# Altium PCB Power Distribution Board.PcbDoc (part 1 of 2) (continued)
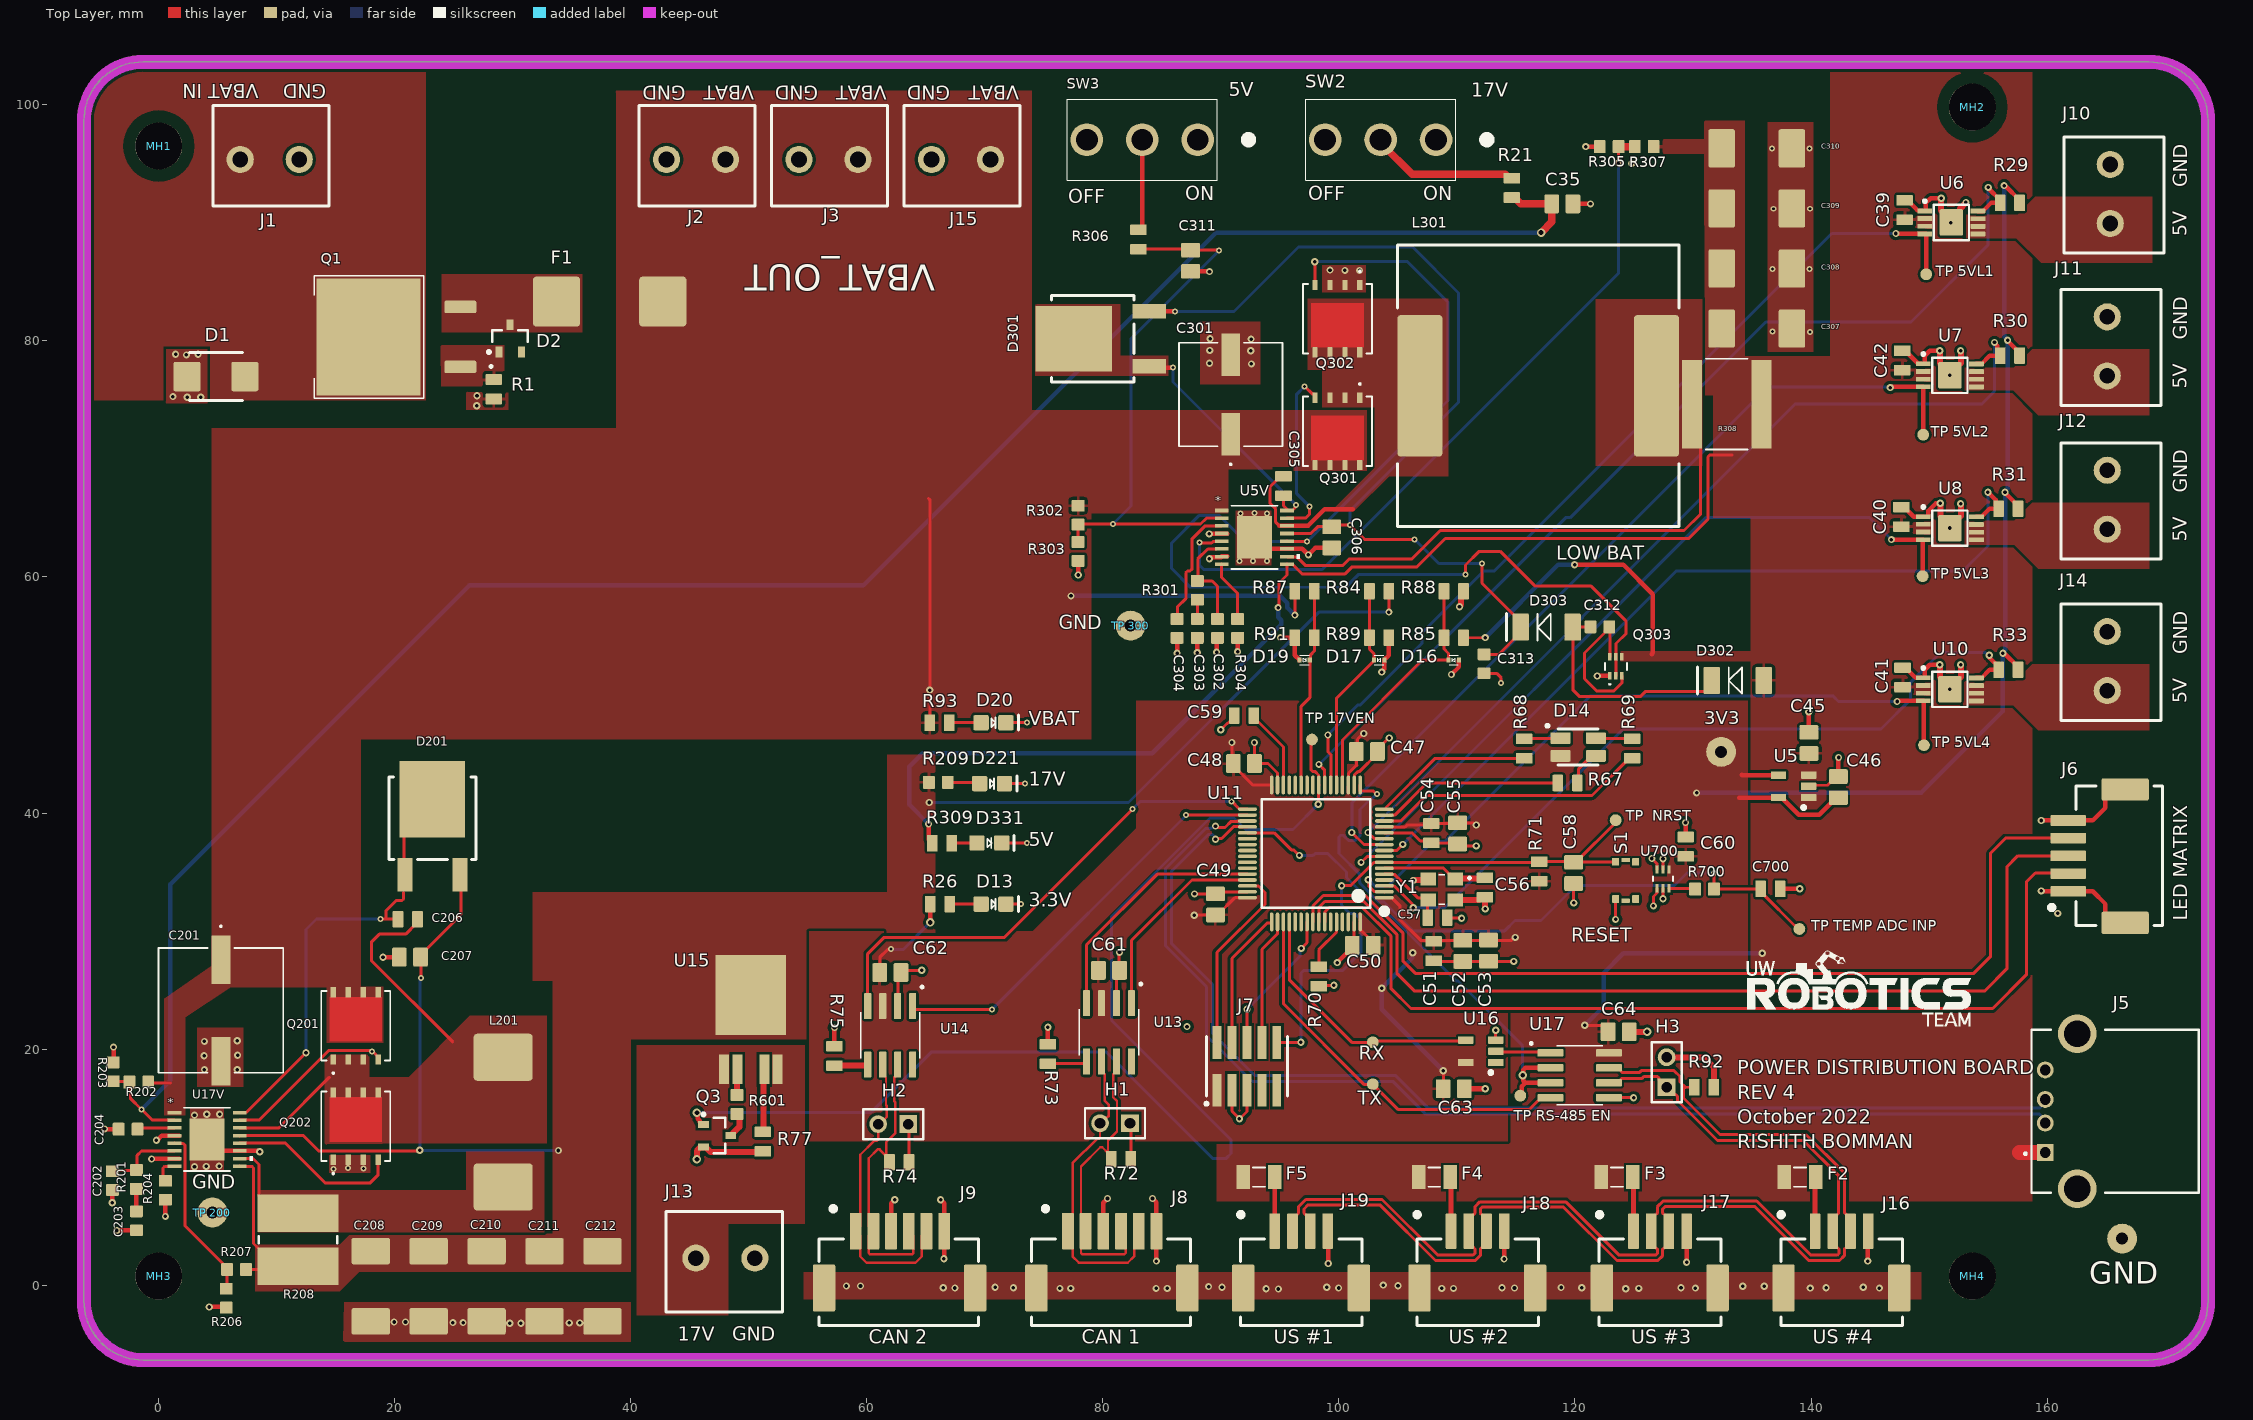
[diagram p0: Top Layer view]
## Footprints (in the part's own frame and the unit in brackets; to place one, negate y for a bottom-side part, rotate by r counter-clockwise, add the part's x,y. Pads: shape width x height; smd on the part's side, far side on the other; paste and mask are expansions set on the pad) (continued)
TVS_DIODE_BIDIR_SMB [mm] "DO-214AA, SMB"
  rrect15% 2.3x2.5 smd: 1(-2.45,0) 2(2.45,0)
  silkscreen extent -2.25,-2.03 2.25,2.03, body extent -2.7,-1.8 2.7,1.8, height 2.27
"USB-A 2.0 Connector - 3d ver" [mm]
  rect 1.428x1.428 hole 0.92: 1(-3.5,2.71)
  round 1.428 hole 0.92: 2(-1,2.71) 3(1,2.71) 4(3.5,2.71)
  round 3.276 hole 2.26: S1(-6.57,0) S2(6.57,0)
  silkscreen extent -6.9,-10.28 6.9,4.5, body extent -7.8,-10.28 7.8,3.88, height 6.99
XTAL_ECS-250-20-33-CKM-TR [mm]
  rect 1.3x1.1 smd: 1(-1.15,-0.9) 2(1.15,-0.9) 3(1.15,0.9) 4(-1.15,0.9)
  silkscreen extent -2.45,-1.25 0.27,1.25, body extent -1.62,-1.25 1.58,1.25, height 0.8

## Part data
3V3 GND "TP 200" "TP 300": "TESTPOINT THRUHOLE", Manufacturer 1="Keystone Electronics", Manufacturer Part Number 1=5002, Package/Footprint=TH, Supplier Part Number 1=36-5002-ND, Mounting Type=TH, Supplier 1=Digi-Key
C35 C47 C48 C49 C50 C52 C53 C61 C62 C63 C64 C311: "CAP CER 0.1UF 50V X7R 0805", Dielectric=X7R, LCSC Part #=C49678, Manufacturer 1="Murata Electronics", Manufacturer Part Number 1=GCM21BR71H104KA37K, Package/Footprint=0805, Supplier Part Number 1=490-8049-1-ND, Voltage Rating=50V, Mounting Type=SMD, Supplier 1=Digi-Key
C39 C40 C41 C42: "CAP CER 1UF 16V X7R 0805", Dielectric=X7R, Manufacturer 1=Yageo, Manufacturer Part Number 1=CC0805KKX7R7BB105, Package=0805, Supplier Part Number 1=311-1365-1-ND, Voltage Rating=16V, Mounting Type=SMD, Supplier 1=Digi-Key
C45 C46 C55 C58: "CAP CER 1UF 50V X7R 0805", LCSC Part #=C28323, Manufacturer 1="Samsung Electro-Mechanics", Manufacturer Part Number 1=CL21B105KBFNNNG, Package=0805, Supplier Part Number 1=1276-6470-1-ND, Voltage Rating=50V, Mounting Type=SMD, Supplier 1=Digi-Key
C51 C59: "CAP CER 4.7UF 16V X5R 0805", Dielectric=X5R, LCSC Part #=C1779, Manufacturer 1="Samsung Electro-Mechanics", Manufacturer Part Number 1=CL21A475KOFNNNE, Package=0805, Supplier Part Number 1=1276-1065-1-ND, Voltage Rating=16V, Mounting Type=SMD, Supplier 1=Digi-Key
C54 C60 C700: "CAP CER 0.01uF 100V X7R 0805", Dielectric=X7R, LCSC Part #=C1710, Manufacturer 1="AVX Corporation", Manufacturer Part Number 1=08051C103KAT2A, Package=0805, Supplier Part Number 1=478-1358-1-ND, Voltage Rating=100V, Mounting Type=SMD, Supplier 1=Digi-Key
C56 C57: "CERAMIC CAP MLCC HIGH-Q 125C", Manufacturer="Murata Electronics", Manufacturer Part Number=GQM2195C2E140JB12D, Package=0805, Supplier Part Number 1=490-GQM2195C2E140JB12DCT-ND, Voltage Rating=250V, Mounting Type=SMD, Supplier 1=Digi-Key
C201: "CAP ALUM 47UF 20% 100V SMD", Manufacturer 1=Nichicon, Manufacturer Part Number 1=UUR2A470MNL1GS, Package/Footprint=SMD, Supplier Part Number 1=493-9589-1-ND, Voltage Rating=100V, Mounting Type=SMD, Supplier 1=Digi-Key
C202 C302: "CAP CER 100PF 100V C0G/NP0 0603", Dielectric="C0G, NP0", Manufacturer 1="Vishay Vitramon", Manufacturer Part Number 1=VJ0603A101JXAAC, Supplier Part Number 1=06031A101FAT2A, Voltage Rating=100V, Supplier 1="Arrow Electronics"
C203: "CAP CER 2200PF 100V X7R 0603", Dielectric="C0G, NP0", Manufacturer 1="Vishay Vitramon", Manufacturer Part Number 1=VJ0603A101JXAAC, Supplier Part Number 1=0603B222K101CT, Voltage Rating=100V, Supplier 1="Arrow Electronics"
C204 C304: "CAP CER 8200PF 100V X7R 0603", Dielectric="C0G, NP0", Manufacturer 1="Vishay Vitramon", Manufacturer Part Number 1=VJ0603A101JXAAC, Supplier Part Number 1=06031C822KAT2A, Voltage Rating=100V, Supplier 1="Arrow Electronics"
C206 C305: "CAP CER 0.1UF 100V X7R 0805", Manufacturer 1="TDK Corporation", Manufacturer Part Number 1=C2012X7R2A104K125AA, Package=0805, Supplier Part Number 1=445-1418-1-ND, Voltage Rating=100V, Supplier 1=Digi-Key, Supplier 2="Arrow Electronics", Supplier Part Number 2=CL21B104KCFNNNE
C207: "CAP CER 1UF 100V X7S 0805", Dielectric=X7R, LCSC Part #=C5378, Manufacturer 1=KEMET, Manufacturer Part Number 1=C0805C224K5RACTU, Package=0805, Supplier Part Number 1=79AH1080, Voltage Rating=100V, Mounting Type=SMD, Supplier 1=Newark
C208 C209 C210 C211 C212: "CAP TANT 22UF 20% 25V 2917", Manufacturer 1="AVX Corporation", Manufacturer Part Number 1=F971A106MBAHT3, Supplier Part Number 1=TPSD226M025R0100, Voltage Rating=25V, Supplier 1="Arrow Electronics"
C301: "CAP. ALUM 33UF 100V 20% SMD", Manufacturer 1=RubyCon, Manufacturer Part Number 1=100SGV33M10X10.5, Package/Footprint=SMD, Supplier Part Number 1=1189-2387-1-ND, Voltage Rating=100V, Mounting Type=SMD, Supplier 1=Digi-Key
C303: "CAP CER 5600PF 100V X7R 0603", Dielectric="C0G, NP0", Manufacturer 1="Vishay Vitramon", Manufacturer Part Number 1=VJ0603A101JXAAC, Supplier Part Number 1=06031C562JAT2A, Voltage Rating=100V, Supplier 1="Arrow Electronics"
C306: "CAP CER 2.2UF 100V X7T 0805", Dielectric=X7R, LCSC Part #=C5378, Manufacturer 1=KEMET, Manufacturer Part Number 1=C0805C224K5RACTU, Package=0805, Supplier Part Number 1=81-GRM21BD72A225ME1K, Voltage Rating=100V, Mounting Type=SMD, Supplier 1=Mouser
C307 C308 C309 C310: "CAP TANT 150UF 10% 16V 2917", Manufacturer 1="AVX Corporation", Manufacturer Part Number 1=F971A106MBAHT3, Supplier Part Number 1=TPSD157K016R0060, Voltage Rating=16V, Supplier 1="Arrow Electronics"
C312 C313: "CAP CER 1UF 25V X5R 0603", Dielectric=X5R, Manufacturer 1=Samsung, Manufacturer Part Number 1=CL10A105KA8NNNC, Package=0603, Supplier Part Number 1=1276-1102-1-ND, Voltage Rating=25V, Mounting Type=SMD, Supplier 1=Digi-Key
D1: "TVS DIODE 51VWM 82.4VC DO214AA", Manufacturer 1=Littelfuse, Manufacturer Part Number 1=SMBJ26CA, Package/Footprint=SMB, Supplier Part Number 1=SMBJ51CALFCT-ND, Voltage - Breakdown (Min)=56.7V, Voltage - Clamping (Max) @ Ipp=82.4V, Voltage - Reverse Standoff (Typ)=51V, Mounting Type=SMD, Supplier 1=Digi-Key, Supplier 2=Digi-Key, Supplier Part Number 2=SMBJ51CA-FDIDKR-ND
D2: "DIODE ZENER 51V 250MW TO236AB", Forward Voltage=0.9V, Manufacturer 1="Nexperia USA Inc.", Manufacturer Part Number 1=BZX84-C51,215, Package/Case=SOT-23-3, Supplier Part Number 1=1727-5037-1-ND, Working Voltage=51V, Supplier 1=Digi-Key
D13 D20 D221 D331: "LED GREEN DIFFUSED 0805 SMD", Forward Voltage Drop=2.2V, Manufacturer 1=OSRAM, Manufacturer Part Number 1="LG R971-KN-1", Package/Footprint=0805, Supplier Part Number 1=475-1410-1-ND, Mounting Type=SMD, Supplier 1=Digi-Key, Supplier 2="Future Electronics", Supplier Part Number 2=1152237
D14: "LED RGB DIFFUSED 4PLCC SMD", Color=Blue,Green,Red, Forward Voltage=3.1V, Lens Color=White, Manufacturer 1=Broadcom, Manufacturer Part Number 1=ASMB-MTB1-0A3A2, Package/Footprint=4-PLCC, Supplier Part Number 1=516-3280-1-ND, Test Current=20mA, Dominant Wavelength=470nm, Lens Style=Round, Lens Transparency=Diffused, Luminous Intensity=350mcd, Mounting Type=SMD, Number of Pins=4, Supplier 1=Digi-Key, Viewing Angle=115°
D16 D17 D19: "TVS DIODE 3.3VWM 11VC SOD923", Manufacturer 1="Central Semiconductor Corp", Manufacturer Part Number 1="CMATVS3V3 TR PBFREE", Package/Footprint=SOD-923, Supplier Part Number 1=1514-CMATVS3V3TRPBFREECT-ND, Voltage - Breakdown (Min)=5V, Voltage - Clamping (Max) @ Ipp=11V, Voltage - Reverse Standoff (Typ)=3.3V, Mounting Type=SMD, Supplier 1=Digi-Key, Supplier 2=Mouser, Supplier Part Number 2=610-CMATVS3V3
D201 D301: library part DIO_SCHOTTKY_100V_10A, "DIODE SCHOTTKY 100V 10A TO263AB", Forward Current=10A, Manufacturer 1="Vishay General Semiconductor - Diodes Division", Manufacturer Part Number 1=MB10H100HE3_B/I, Package/Footprint=TO-263AB, Supplier Part Number 1=112-MB10H100HE3_B/ICT-ND, Mounting Type=SMD, Supplier 1=Digi-Key, Vr (Max)=100V
D302 D303: "DIODE SCHOTTKY 30V 2A PMDTM", Manufacturer 1="Rohm Semiconductor", Manufacturer Part Number 1=RSX205LAM30TR, Package/Footprint=SOD-128, Supplier Part Number 1=RSX205LAM30CT-ND, Io=2A, Mounting Type=SMD, Supplier 1=Digi-Key, Vf (Max)=490mV, Vr (Max)=30V
F1: "FUSE SMT 3912 ENH BRK 250V 30A", Current Rating=30A, Manufacturer 1="Bel Fuse Inc.", Manufacturer Part Number 1=0678H9300-02, Package/Footprint=3912, Supplier Part Number 1=507-2254-1-ND, Mounting Type=SMD, Supplier 1=Digi-Key, Verified=No
F2 F3 F4 F5: "FUSE BOARD MNT 250MA 125VAC/VDC", Current Rating=250mA, Manufacturer 1=Littelfuse, Manufacturer Part Number 1=0466.250NR, Package/Footprint=1206, Supplier Part Number 1=F1452CT-ND, Mounting Type=SMD, Supplier 1=Digi-Key
H1 H2 H3: "HEADER 2X1", Manufacturer 1="TE Connectivity", Manufacturer Part Number 1=87220-2, Package/Footprint=TH, Supplier Part Number 1=A26542-ND, Mount="Through Hole", Mounting Type=TH, Supplier 1=Digi-Key
J1 J2 J3 J10 J11 J12 J13 J14 J15: "TERM BLK 2POS SIDE ENTRY 5MM", Current=18A, Manufacturer 1="Phoenix Contact", Manufacturer Part Number 1=1935161, Max Current Rating=16A, Package/Footprint=SMD, Supplier Part Number 1=277-1667-ND, Voltage=300V, Mounting Type=TH, Supplier 1=Digi-Key
J5: "USB-A (USB TYPE-A) USB 2.0 Receptacle Connector 4 Position Through Hole, Right Angle", Manufacturer 1=GCT, Manufacturer Part Number 1=USB1130-15-A, Supplier Part Number 1=2073-USB1130-15-ACT-ND, Supplier 1=Digi-Key
J6: "CONN HEADER SMD RIGHT ANGLE 1.5MM PITCH", Current Rating=2A, Manufacturer 1=Molex, Manufacturer Part Number 1=5025850570, Package/Footprint=SMD, Supplier Part Number 1=WM14469CT-ND, Family=CLIK-Mate, Mounting Type=SMD, Orientation="Right Angle", Supplier 1=Digi-Key
J7: "CONN HEADER SMD 10POS 1.27MM", Manufacturer 1=Samtec, Manufacturer Part Number 1=FTSH-105-01-F-DV-K, Supplier Part Number 1=SAM8796-ND, Mounting Type=SMD, Pitch=1.27mm, Supplier 1=Digi-Key
J8 J9: "CONN HEADER SMD RIGHT ANGLE 1.5 MM PITCH", Manufacturer 1=Molex, Manufacturer Part Number 1=5025850670, Package/Footprint=SMD, Supplier Part Number 1=WM12832CT-ND, Family=CLIK-Mate, Mounting Type=SMD, Supplier 1=Digi-Key
J16 J17 J18 J19: "CONN HEADER SMD RIGHT ANGLE 1.5 MM PITCH", Package/Footprint=SMD, Supplier Part Number 1=WM9449CT-ND, Family=CLIK-Mate, Mounting Type=SMD, Supplier 1=Digi-Key
L201: "22UH 20%  SMD POWER CHOKE", Current Rating=9A, DC Resistance (DCR)=37mOhms, Inductance=22μH, Inductance Tolerance=20%, Manufacturer 1="Bourns Inc.", Manufacturer Part Number 1=SRP1265A-220M, Saturation Current=12A, Mounting Type=SMD, Supplier 1="Arrow Electronics", Supplier Part Number 1=SRP1265A-220M
L301: "FIXED IND 10UH 13MOHM 24000MA", Current Rating=16.5A, DC Resistance (DCR)=13mR, Inductance=10μH, Manufacturer 1="Shenzhen Sunlord Electronics Co., Ltd.", Manufacturer Part Number 1=MWLA1707S-100MT, Saturation Current=24A, Supplier Part Number 1=3442-MWLA1707S-100MTCT-ND, Supplier 1=Digi-Key
Q1: "MOSFET P-CH 100V 38A D2PAK", Current - Continous Drain=38A, Manufacturer 1="Vishay Siliconix", Manufacturer Part Number 1=IRF5210STRLPBF, Package/Footprint=D2Pak, Supplier Part Number 1=IRF5210STRLPBFCT-ND, Id=120A, Mounting Type=SMD, Supplier 1=Digi-Key, Vdss=100V, Verified=No, Vgs (Max)=±15V
Q3: "MOSFET P-CH 60V 120MA SOT-23", Manufacturer 1="ON Semiconductor", Manufacturer Part Number 1=NDS0610, Package/Footprint=SOT-23, Supplier Part Number 1=NDS0610CT-ND, Id=120mA, Mounting Type=SMD, Supplier 1=Digi-Key, Vdss=60V, Vgs (Max)=±20V
Q201 Q202 Q301 Q302: library part NMOS_100V_15/47A_1, "MOSFET N-CH 100V 15A/47A 8DFN", Mfr_Name="Alpha and Omega Semiconductor", Supplier Part Number 1=785-1815-1-ND, Copyright="Copyright (C) 2022 Ultra Librarian. All rights reserved.", Digi-Key_Part_Number_1=785-1815-2-ND, Digi-Key_Part_Number_2=785-1815-1-ND, Digi-Key_Part_Number_3=785-1815-6-ND, Manufacturer_Part_Number=AONS66923, RefDes=RefDes, Supplier 1=Digi-Key, Type=DEV
Q303: "MOSFET N/P-CH 20V 0.65A SOT563", Continuous Drain Current (ID)=650mA, Drain to Source Voltage (Vdss)=20V, Input Capacitance=100pF, Manufacturer 1=Diodes, Max Power Dissipation=350mW, Supplier Part Number 1=1514-CMLDM7585TRPBFREECT-ND, Rds On Max=230mOhms, Stock 1=72, Supplier 1=Digi-Key
R1 R21 R77 R91 R306: "RES 1K OHM 1% 1/8W 0805", LCSC Part #=C17513, Manufacturer 1=Yageo, Manufacturer Part Number 1=RC0805FR-071KL, Package=0805, Supplier Part Number 1=311-1.00KCRCT-ND, Mounting Type=SMD, Supplier 1=Digi-Key
R26: "RES 220 OHM 5% 1/2W 0805", LCSC Part #=C17557, Manufacturer 1="Panasonic Electronic Components", Manufacturer Part Number 1=ERJ-P06J221V, Package=0805, Supplier Part Number 1=P220ADCT-ND, Mounting Type=SMD, Supplier 1=Digi-Key
R29 R30 R31 R33 R70 R71 R93: "RES 10K OHM 5% 1/8W 0805", LCSC Part #=C17414, Manufacturer 1="Panasonic Electronic Components", Manufacturer Part Number 1=ERJ-6GEYJ103V, Package/Footprint=0805, Supplier Part Number 1=P10KACT-ND, Mounting Type=SMD, Supplier 1=Digi-Key
R67 R69: "RES 20 OHM 1% 1/8W 0805", LCSC Part #=C17581, Manufacturer 1=Yageo, Manufacturer Part Number 1=RC0805FR-0720RL, Package=0805, Supplier Part Number 1=311-20.0CRCT-ND, Mounting Type=SMD, Supplier 1=Digi-Key
R68 R72 R74 R92: "RES 120 OHM 1% 1/8W 0805", LCSC Part #=C17437, Manufacturer 1=Vishay, Manufacturer Part Number 1=CRCW0805120RFKEA, Package/Footprint=0805, Supplier Part Number 1=541-120CCT-ND, Mounting Type=SMD, Supplier 1=Digi-Key
R73 R75: "RES 0 OHM JUMPER 1/8W 0805", LCSC Part #=C17477, Manufacturer 1="Panasonic Electronic Components", Manufacturer Part Number 1=ERJ-6GEY0R00V, Package/Footprint=0805, Supplier Part Number 1=P0.0ACT-ND, Mounting Type=SMD, Supplier 1=Digi-Key
R84: library part RES_5.6kΩ_0805_5%, "RES 5.6K OHM 5% 1/8W 0805", Manufacturer 1=Yageo, Manufacturer Part Number 1=RC0805JR-075K6L, Package=0805, Supplier Part Number 1=311-5.6KARCT-ND, Tolerance=5%, Supplier 1=Digi-Key
R85: library part RES_2.2kΩ_0805_5%, "RES 2.2K OHM 5% 1/8W 0805", Manufacturer 1="Vishay Dale", Manufacturer Part Number 1=CRCW08052K20JNEAC, Package=0805, Supplier Part Number 1=541-4169-1-ND, Tolerance=5%, Supplier 1=Digi-Key
R87: "RES 15K OHM 1% 1/8W 0805", Manufacturer 1="Vishay Dale", Manufacturer Part Number 1=CRCW080515K0FKEA, Supplier Part Number 1=541-15.0KCCT-ND, Supplier 1=Digi-Key
R88: "RES 3.3K OHM 1% 1/8W 0805", LCSC Part #=C26010, Manufacturer 1="Vishay Dale", Manufacturer Part Number 1=CRCW06033K30FKEA, Package=0805, Supplier Part Number 1=541-3.30KHCT-ND, Mounting Type=SMD, Supplier 1=Digi-Key
R89: library part RES_1.2kΩ_0805_5%, "RES 1.2K OHM 5% 1/8W 0805", Manufacturer 1=Yageo, Manufacturer Part Number 1=RC0805JR-071K2L, Package=0805, Supplier Part Number 1=311-1.2KARCT-ND, Tolerance=5%, Supplier 1=Digi-Key
R201: "RES 20K OHM 1% 1/10W 0603", Manufacturer 1=Yageo, Manufacturer Part Number 1=RC0603FR-0720KL, Supplier Part Number 1=311-20.0KHRCT-ND, Supplier 1=Digi-Key
R202 R302: "RES 169K OHM 1% 1/10W 0603", Manufacturer 1=Yageo, Manufacturer Part Number 1=RC0603FR-07165KL, Supplier Part Number 1=RMCF0603FT169K, Supplier 1="Arrow Electronics"
R203 R206 R301 R303 R305: "RES 10K OHM 5% 1/10W 0603", Manufacturer 1=Yageo, Manufacturer Part Number 1=RC0603JR-0710KL, Package=0603, Supplier Part Number 1=311-10KGRCT-ND, Mounting Type=SMD, Supplier 1=Digi-Key
R204 R304: "RES 33K OHM 5% 1/10W 0603", Manufacturer 1=Yageo, Manufacturer Part Number 1=RC0603JR-0743KL, Supplier Part Number 1=CR0603-JW-333ELF, Supplier 1="Arrow Electronics"
R207: "RES 127K OHM 1% 1/10W 0603", Manufacturer 1="Stackpole Electronics Inc", Manufacturer Part Number 1=RMCF0603FT249K, Supplier Part Number 1=RC0603FR-07127KL, Supplier 1="Arrow Electronics"
R208: "RES 10mOHM 1% 4W 2728", Manufacturer 1=Yageo, Manufacturer Part Number 1=RC0603FR-07698KL, Supplier Part Number 1=CSSH2728FT10L0DKR-ND, Supplier 1=Digi-Key
R209: "RES 3K OHM 1% 1/10W 0603", Manufacturer 1=Yageo, Manufacturer Part Number 1=RC0603FR-073KL, Supplier Part Number 1=311-3.00KHRCT-ND, Supplier 1=Digi-Key
R307: "RES 30.9K OHM 0.5% 1/10W 0603", Manufacturer 1=Yageo, Manufacturer Part Number 1=RT0603DRD0730KL, Package=0603, Supplier Part Number 1=RMCF0603FT30K9, Tolerance=0.5%, Supplier 1="Arrow Electronics"
R308: "RES 0.005 OHM 1% 4W 2827", Manufacturer 1="Stackpole Electronics Inc", Manufacturer Part Number 1=CSSH2728FT5L00, Package/Footprint=2728, Supplier Part Number 1=CSSH2728FT5L00CT-ND, Mounting Type=SMD, Supplier 1=Digi-Key
R309: "RES 787 OHM 1% 1/8W 0805", Manufacturer 1=Yageo, Manufacturer Part Number 1=RC0805FR-07787RL, Package/Footprint=0805, Supplier Part Number 1=RHM.005APCT-ND, Mounting Type=SMD, Supplier 1=Digi-Key
R601: "RES 1K OHM 5% 1/10W 0603", Manufacturer 1=Yageo, Manufacturer Part Number 1=RC0603JR-071KL, Package=0603, Supplier Part Number 1=311-1.0KGRCT-ND, Mounting Type=SMD, Supplier 1=Digi-Key
R700: "RES 220 OHM 5% 1/10W 0603", Manufacturer 1=Yageo, Manufacturer Part Number 1=AC0603JR-07220RL, Package/Footprint=0603, Supplier Part Number 1=YAG3652CT-ND, Supplier 1=Digi-Key
RX "TP 5VL1" "TP 5VL2" "TP 5VL3" "TP 5VL4" "TP 17VEN" "TP  NRST" "TP RS-485 EN" "TP TEMP ADC INP" TX: "TESTPOINT 1MM CIRCLE"
S1: "SMT 3.0 X 2.6 MM TACT SWITCH WIT", Manufacturer 1="Würth Elektronik", Manufacturer Part Number 1=435151014824, Supplier Part Number 1=732-435151014824CT-ND, Supplier 1=Digi-Key
SW2: "SWITCH TOGGLE SPDT 5A 120V", Current Rating=5A, Manufacturer 1=E-Switch, Manufacturer Part Number 1=100SP1T1B4M2QE, Package/Footprint=TH, Supplier Part Number 1=EG2355-ND, Voltage Rating (DC)=28V, Mounting Type=TH, Supplier 1=Digi-Key, Throw Configuration=SPDT
SW3: library part SW_SPDT, "SWITCH TOGGLE SPDT 5A 120V", Current Rating=5A, Manufacturer 1=E-Switch, Manufacturer Part Number 1=100SP1T1B4M2QE, Package/Footprint=TH, Supplier Part Number 1=EG2355-ND, Voltage Rating (DC)=28V, Mounting Type=TH, Supplier 1=Digi-Key, Throw Configuration=SPDT
U5: "IC REG LINEAR 3.3V 500MA SOT23-5", Input Voltage (Max)=5.25V, Manufacturer 1="RICOH Electronic Devices Co., LTD.", Manufacturer Part Number 1=RP111N331B-TR-FE, Operating Temperature="-40°C - 85°C", Output Current=500mA, Output Voltage (Fixed)=3.3V, Package/Footprint=SOT-25, Supplier Part Number 1=2129-RP111N331B-TR-FECT-ND, Voltage Dropout (Max)=0.32V, Mounting Type=SMD, Supplier 1=Digi-Key
U5V U17V: "IC REG CTRLR BUCK 16TSSOP", Manufacturer 1="Analog Devices Inc.", Manufacturer Part Number 1=LT3845AIFE#PBF, Package/Footprint=16-TSSOP-EP, Supplier Part Number 1=584-LT3845AIFE#PBF, Mounting Type=SMD, Supplier 1=Mouser
U6 U7 U8 U10: "IC PWR SWITCH N-CHAN 1:1 8TSSOP", Manufacturer 1="Rohm Semiconductor", Package/Footprint=8-TSSOP, Supplier Part Number 1=BD82006FVJ-MGE2CT-ND, Manufacturer Part Number 1=BD82006FVJ-MGE2, Mounting Type=SMD, Rds On (Typ)=70mOhm, Supplier 1=Digi-Key
U11: library part MCU_STM32F446RET6, "ARM Cortex-M4 32-bit MCU+FPU, 512 KB Flash, 128 KB Internal RAM, 50 I/Os, 64-Pin LQFP, -40 to 85 degC, Tray", I/Os (High Current)=50, Operating Frequency(F) (Processor speed) (MHz)=180, Package Description=LQFP64, Package Reference="64-Pin Low-profile Quad Flat Package, Body 10 x 10 mm, Pitch 0.5 mm", Supplier Part Number 1=497-15376-ND, Supply Voltage(Vcc) min (V)=1.7, ComponentLink1Description="Manufacturer URL", ComponentLink1URL=http://www.st.com/, ComponentLink2Description=Datasheet, ComponentLink2URL=http://www.st.com/st-web-ui/static/active/en/resource/technical/document/datasheet/DM00141306.pdf, Core="ARM Cortex-M4", D/A Converter=2, DatasheetVersion="Rev. 6", FLASH Size (Prog) (kB)=512, Internal RAM Size (kB)=128, Mounting Technology="Surface Mount", Packing=Tray, Supplier 1=Digi-Key
U13 U14: "IC TRANSCEIVER 1/1 8SOIC", Manufacturer 1=Maxim, Manufacturer Part Number 1=TCAN334GDR, Package/Footprint=14-SOIC, Supplier Part Number 1=296-49940-1-ND, Mounting Type=SMD, Supplier 1=Digi-Key
U15: "IC PWR SWITCH N-CHAN 1:1 TO252-5", Manufacturer 1="Infineon Technologies", Package/Footprint=TO-252-5, Supplier Part Number 1=BTS5014SDAAUMA1CT-ND, Manufacturer Part Number 1=BTS5014SDAAUMA1, Mounting Type=SMD, Supplier 1=Digi-Key, Supplier 2=Mouser, Supplier Part Number 2=726-BTS5014SDA
U16: "IC BUFFER NON-INVERT 5.5V 5TSOP", Manufacturer 1=onsemi, Manufacturer Part Number 1=M74VHC1GT50DTT1G, Package/Footprint=TSOP-5, Supplier Part Number 1=M74VHC1GT50DTT1GOSCT-ND, Mounting Type=SMD, Supplier 1=Digi-Key, Supplier 2=Newark, Supplier Part Number 2=83Y6957
U17: "IC RS485 TRANSCEIVER HALF 1/1 8SOIC", LCSC Part #=C9945, Manufacturer 1="Maxim Integrated", Manufacturer Part Number 1=MAX485CSA+T, Package/Footprint=8-SOIC, Supplier Part Number 1=MAX485CSA+TCT-ND, Supply Voltage="4.75V - 5.25V", Data Rate=2.5Mbps, Mounting Type=SMD, Protocol="RS422, RS485", Supplier 1=Digi-Key
U700: "SENSOR ANALOG -55C-130C 6SOT", Manufacturer 1="Texas Instruments", Manufacturer Part Number 1=TMP20AIDRLT, Package/Footprint=SOT-563, Supplier Part Number 1=296-25570-1-ND, Mounting Type=SMD, Supplier 1=Digi-Key
Y1: "CRYSTAL 25.0000MHZ 20PF SMD", Frequency=25MHz, Load Capacitance=20pF, Manufacturer 1="ECS Inc.", Manufacturer Part Number 1=ECS-250-20-33-CKM-TR, Package/Footprint=SMD, Supplier Part Number 1=XC1817CT-ND, Mounting Type=SMD, Supplier 1=Digi-Key

## Via types
v1: diameter 0.61, hole 0.305, Top Layer to Bottom Layer, tented both sides, 206 vias
v2: diameter 0.508, hole 0.254, Top Layer to Bottom Layer, tented both sides, 46 vias
v3: diameter 0.711, hole 0.406, Top Layer to Bottom Layer, tented both sides, 6 vias

## Nets (pads, with @x,y where several pads share a name; then routed paths per layer and width w, separated by ;. In a path a pad name is that pad's centre, name@x,y a point inside that pad or via, vN(x,y) a via of type N, cw(c..) or ccw(c..) an arc to the next point about the centre after c; other vN are vias at no path point)
3V3: 3V3.1 C46.2 C47.2 C48.2 C49.2 C50.2 C51.2 C52.2 C53.2 C54.2 C55.2 C60.2 C61.2 C62.2 C63.2 D14.4 J7.1 R26.2 R29.2 R30.2 R31.2 R33.2 R71.2 U5.4 U5.5 U11.1 U11.13 U11.19 U11.32 U11.48 U11.64 U13.3 U14.3 U16.5 U700.4 | length 156.9
  Top Layer w0.254: C62.2@61.094,26.486 61.094,27.77 61.75,28.425 62.004,28.425 v2(62.052,28.473) ; v1(87.732,31.344) 89.516,31.344 C49.2@89.535,31.363 89.71,31.363 91.173,32.826 U11.48@92.244,32.826 ; v1(90.932,45.974) 90.932,44.317 C48.2@91.053,44.196 91.053,44.021 92.698,42.376 U11.32@94.294,42.376 ; U11.19@100.794,42.376 100.803,42.385 100.803,43.367 101.467,44.031 C47.2@101.467,45.212 101.565,45.31 101.565,46.244 102.057,46.736 v1(102.108,46.736) ; U11.64@101.794,30.776 101.794,30.138 101.829,30.103 C50.2@103.003,28.929 ; U11.1@103.844,32.826 104.482,32.826 105.156,32.152 105.156,30.988 106.928,29.216 C52.2@110.49,29.216 114.608,29.216 114.856,29.464 v1(114.935,29.464) ; U11.13@103.844,38.826 105.617,38.826 105.786,38.995 107.632,38.995 107.823,39.186 C54.2@107.829,39.18 ; C54.2@107.823,39.116 110.007,39.116 C55.2@110.058,39.167 111.359,39.167 111.537,38.989 v1(111.633,38.989) ; C63.2@108.833,16.637 108.839,16.643 v1(108.839,18.161)
  Top Layer w0.381: v3(65.369,30.734) R26.2@65.369,32.283 ; 133.934,41.3 137.228,41.3 U5.5@137.244,41.316 137.579,41.316 137.703,41.191 137.703,41.113 138.963,39.853 140.693,39.853 142.141,41.3 C46.2@142.316,41.3 ; 134.112,43.256 134.153,43.216 U5.4@137.244,43.216 ; v1(156.261,53.543) 156.305,53.499 156.427,53.499 157.543,52.383 R33.2@157.543,52.133 ; v1(156.362,93.167) 156.406,93.123 156.491,93.123 157.67,91.944 R29.2@157.67,91.694 ; v1(156.439,67.183) 156.439,67.14 157.543,66.036 R31.2@157.543,65.786 ; v1(156.654,80.056) 156.654,80.027 157.543,79.137 R30.2@157.543,78.74
  Bottom Layer w0.254: v2(62.052,28.473) 62.101,28.425 63.059,28.425 v3(65.369,30.734)
  Bottom Layer w0.381: v1(106.248,28.169) 106.204,28.125 106.204,27.718 v1(103.632,25.146) 103.632,23.368 v1(108.839,18.161) ; v1(130.302,41.707) 149.327,41.707 156.261,48.641 v1(156.261,53.543) 156.261,53.605 156.439,53.783 v1(156.439,67.183) 156.439,67.245 156.654,67.46 v1(156.654,80.056) 156.654,80.118 156.362,80.41 v1(156.362,93.167)
5V: C39.2 C40.2 C41.2 C42.2 C45.2 C64.2 C307.1 C308.1 C309.1 C310.1 D302.1 F2.2 F3.2 F4.2 F5.2 J5.1 Q303.4 R85.2 R307.1 R308.2 R309.1 U5.1 U5.3 U5V.9 U6.2 U6.3 U7.2 U7.3 U8.2 U8.3 U10.2 U10.3 U17.8 | length 143
  Top Layer w0.203: R85.2@110.553,54.864 v1(112.395,54.864)
  Top Layer w0.254: v1(65.227,39.065) v1@65.237,39.055 ; R309.1@65.237,37.736 R309.1@65.533,37.44 ; v1(94.844,57.404) 94.912,57.472 94.912,59.483 95.606,60.177 U5V.9@95.606,61.082 95.631,61.057 96.093,61.057 96.876,60.274 100.533,60.274 101.117,60.858 106.604,60.858 109.017,63.271 129.642,63.271 131.273,64.903 131.273,70.184 131.447,70.358 133.299,70.358 ; v1(120.828,22.022) 120.833,22.016 122.305,22.016 122.803,21.518 C64.2@122.803,21.463
  Top Layer w0.381: R309.1@65.237,37.736 v1@65.237,39.055 ; v1(119.964,61.036) 124.104,61.036 126.594,58.547 126.594,53.569 126.492,53.467
  Top Layer w1.27: 157.678,11.232 J5.1@159.85,11.232
  Bottom Layer w0.381: v1(65.227,39.065) 63.576,40.716 63.576,43.917 64.719,45.06 84.183,45.06 95.098,55.974 95.098,56.326 94.844,56.58 v1(94.844,57.404) ; v1(112.395,54.864) 118.567,61.036 v1(119.964,61.036) ; v1(120.828,22.022) 122.418,23.612 122.418,26.435 124.101,28.118 v1(135.865,28.118)
5V_LOAD1: J10.1 U6.5 U6.6 U6.7
5V_LOAD2: J11.1 U7.5 U7.6 U7.7
5V_LOAD3: J12.1 U8.5 U8.6 U8.7
5V_LOAD4: J14.1 U10.5 U10.6 U10.7
17V_LOAD: J13.1 U15.1 U15.5
"BG 5V": Q302.4 Q303.2 Q303.5 U5V.12 | length 105.4
  Top Layer w0.254: U5V.12@95.58,63.007 U5V.12@95.606,63.033 95.613,63.025 97.3,63.025 v2(97.307,63.017) ; Q302.4@97.942,84.963 97.955,84.976 97.955,86.703 v1(97.942,86.716) ; v2(110.719,60.223) 110.719,61.011 111.887,62.179 113.665,62.179 116.624,59.22 121.374,59.22 124.333,56.261 124.333,55.22 123.469,54.356 Q303.5@123.469,53.238 Q303.2@123.469,51.613
  Bottom Layer w0.254: v1(97.942,86.716) 97.968,86.741 105.791,86.741 109.245,83.287 109.245,74.955 102.957,68.667 v2(97.307,63.017) 97.298,63.027 92.04,63.027 89.84,65.227 88.163,65.227 85.801,62.865 85.801,60.731 87.401,59.131 100.584,59.131 101.676,60.223 v2(110.719,60.223)
"BG 17V": Q202.4 U17V.12 | length 14.7
  Top Layer w0.254: U17V.12@6.858,12.019 10.739,12.019 14.122,8.636 17.882,8.636 18.593,9.347 Q202.4@18.593,10.617
"BOOST 5V": C305.1 D301.1 D301.3 U5V.16 | length 20.4
  Top Layer w0.254: C305.1@95.301,66.879 95.301,66.041 U5V.16@95.682,65.66 ; U5V.16@95.606,65.634 96.037,65.634 96.313,65.909 96.313,66.087 v2(96.342,66.116)
  Top Layer w0.381: D301.1@83.921,77.863 84.035,77.749 v2(85.928,77.749)
  Bottom Layer w0.254: v2(85.928,77.749) 85.928,76.53 v2(96.342,66.116)